# Altium PCB PCB_with_drawing_try2.PcbDoc (part 3 of 5)
Units mm, origin at the board's own origin, x right, y up, seen from the top; angles counter-clockwise.
Board outline 187.5 x 240 mm, 2 copper layers (Top Layer, Bottom Layer), stack 2.8 mm thick; 489 components, 419 nets, 1569 pads, 683 vias.
Unrouted connection lines stored in the file: 11.
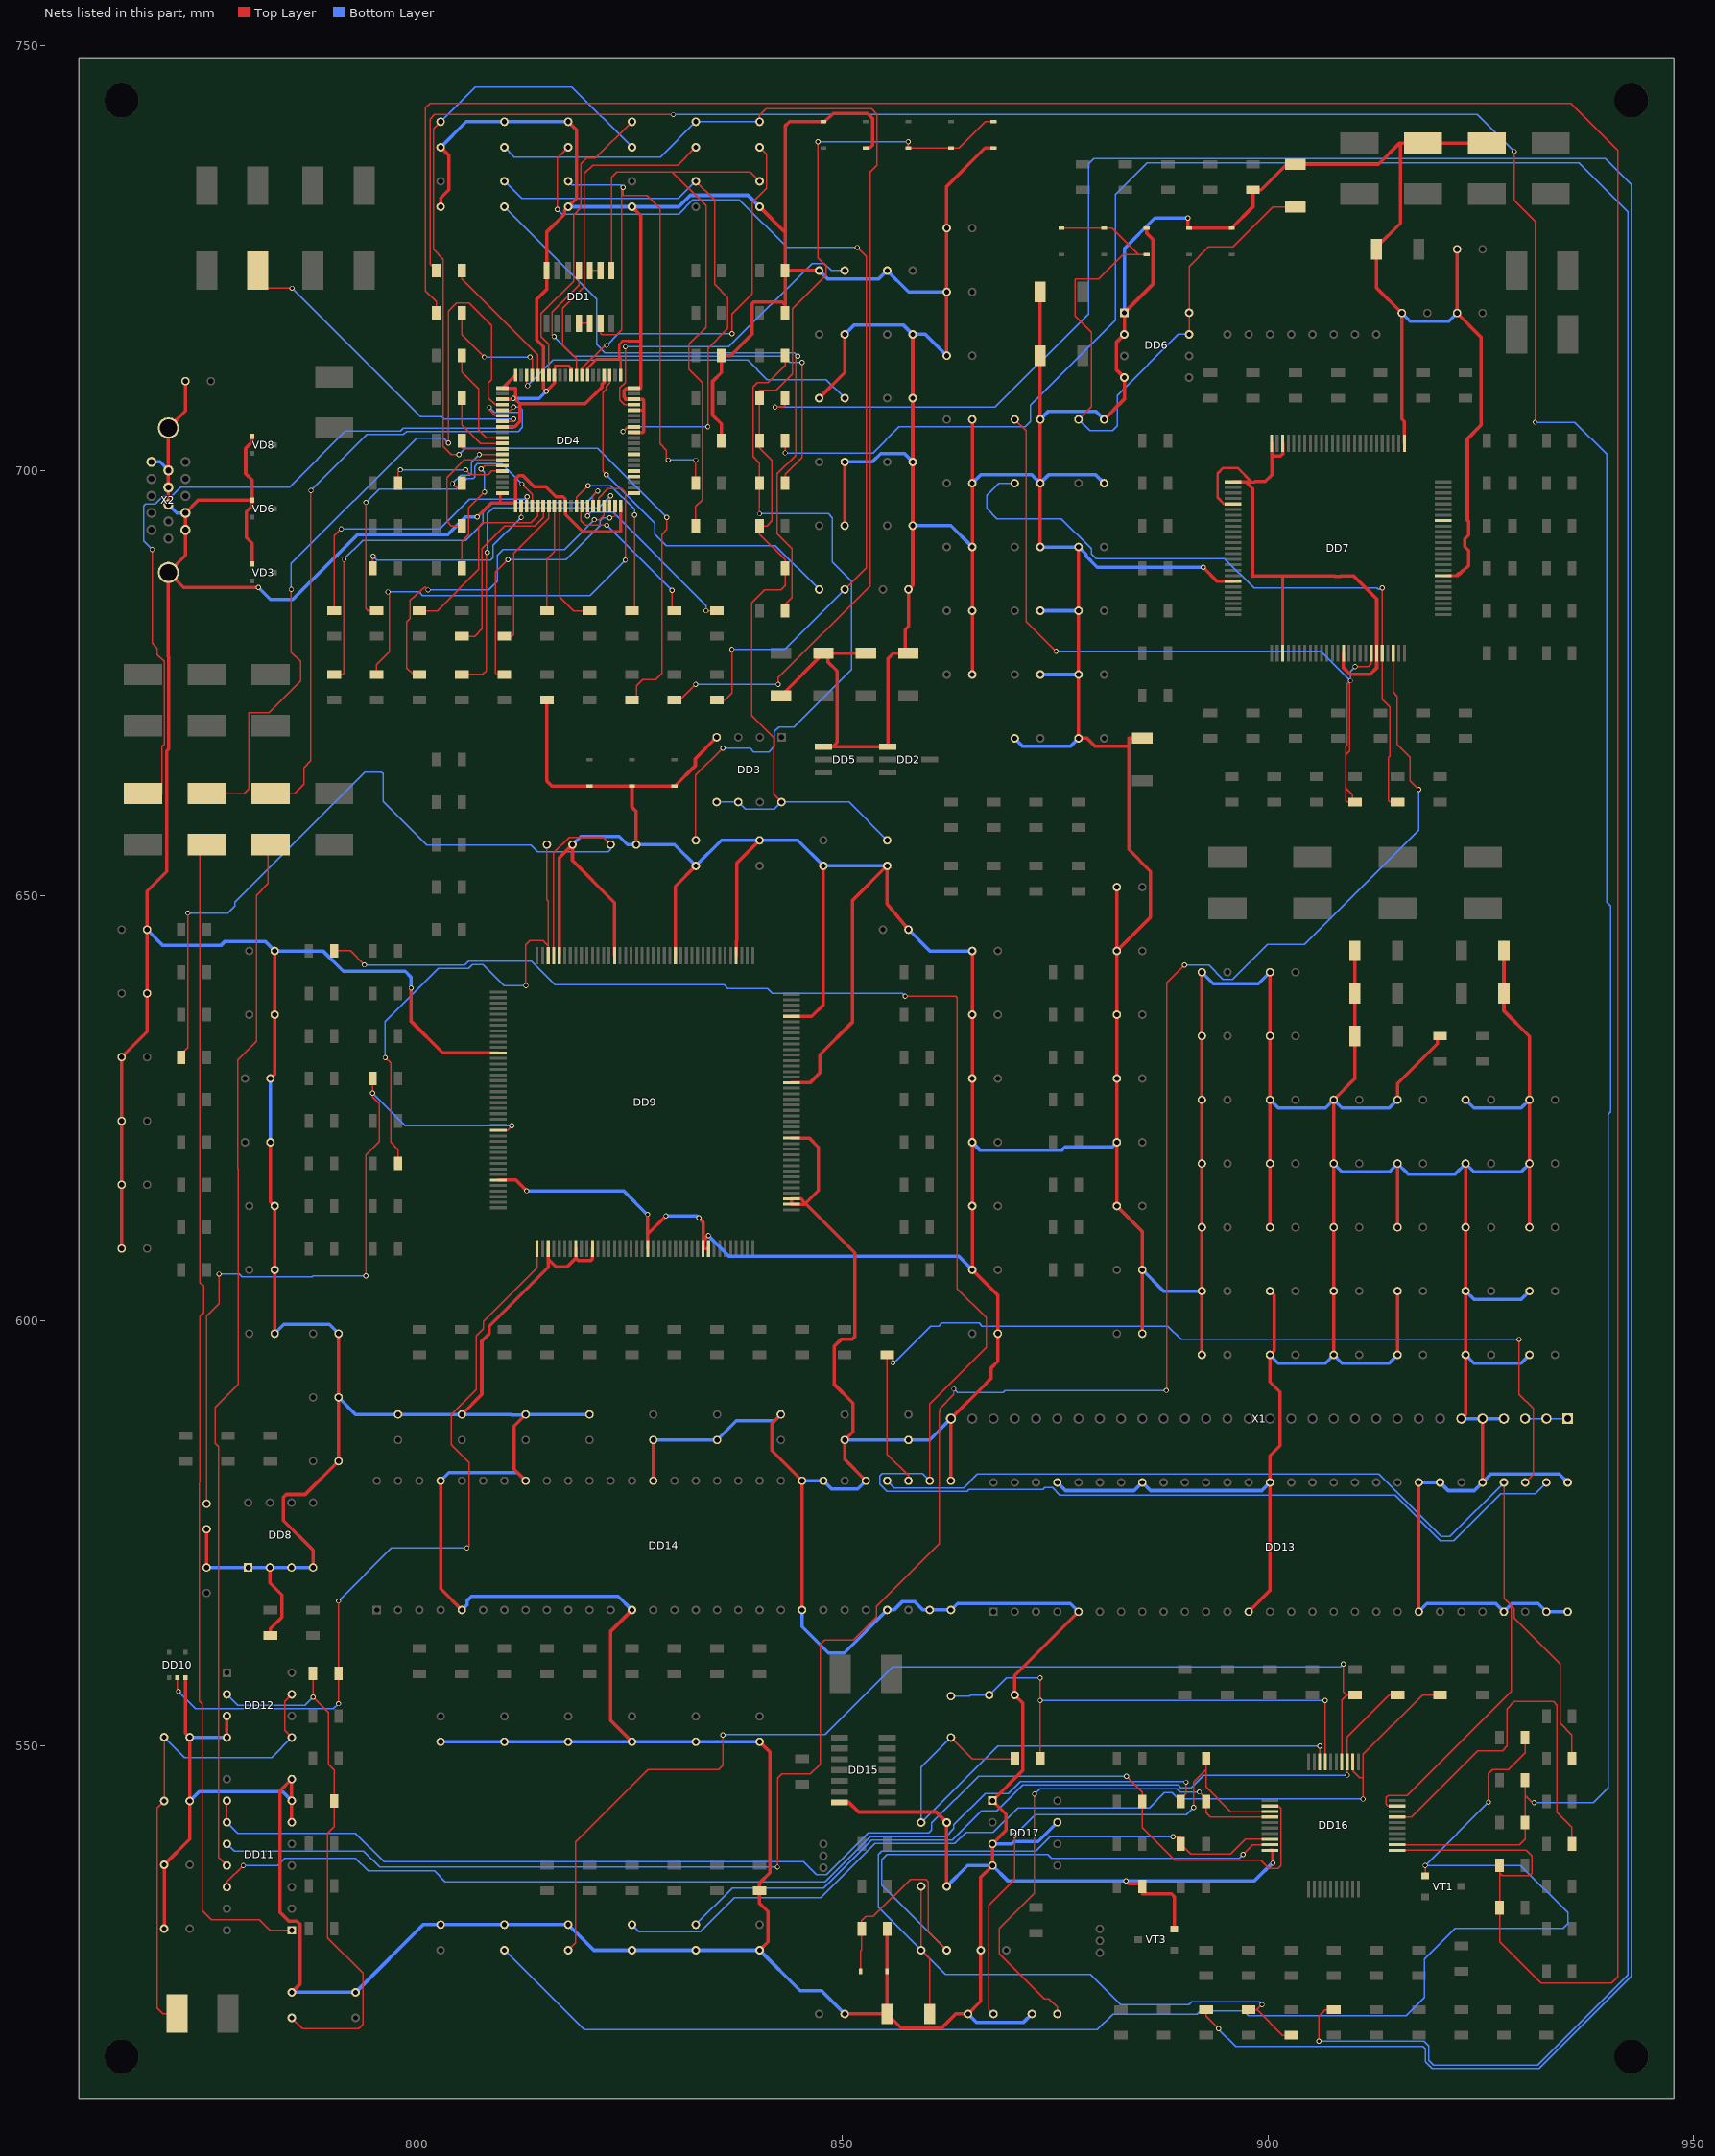
[diagram p3: the nets of this part, all layers, seen from the top]

## Via types
v1: diameter 0.6, hole 0.4, Top Layer to Bottom Layer, 677 vias
v2: diameter 0.5, hole 0.4, Top Layer to Bottom Layer, 3 vias
v3: diameter 0.4, hole 0.4, Top Layer to Bottom Layer, 2 vias
v4: diameter 0.6, hole 0.3, Top Layer to Bottom Layer, 1 vias

## Nets (pads, with @x,y where several pads share a name; then routed paths per layer and width w, separated by ;. In a path a pad name is that pad's centre, name@x,y a point inside that pad or via, vN(x,y) a via of type N, cw(c..) or ccw(c..) an arc to the next point about the centre after c; other vN are vias at no path point) (continued)
GND: C1.2 C2.2 C3.2 C4.2 C5.2 C6.2 C7.2 C8.2 C9.2 C10.2 C11.2 C12.2 C13.2 C14.2 C15.2 C17.2 C18.2 C19.2 C25.1 C26.2 C27.1 C28.2 C29.1 C30.2 C31.2 C32.2 C33.2 C34.2 C35.2 C36.2 C37.2 C38.2 C39.2 C40.2 C41.2 C42.2 C43.2 C44.1 C45.1 C46.1 C47.1 C48.1 C49.1 C50.1 C51.1 C52.2 C53.1 C54.1 C55.1 C56.1 C57.2 C58.1 C59.1 C60.1 C61.1 C62.1 C63.1 C64.2 C65.1 C66.1 C67.1 C68.1 C69.1 C70.1 C71.1 C72.1 C73.1 C74.1 C75.1 C76.1 C77.1 C78.1 C79.1 C80.1 C81.1 C82.1 C83.1 C84.1 C85.1 C86.1 C87.1 C88.1 C89.1 C90.1 C91.1 C92.1 C93.1 C94.1 C95.1 C96.1 C97.1 C98.1 C99.1 C100.1 C101.1 C102.1 C103.1 C104.1 C105.1 C106.1 C107.1 C108.1 C109.1 C110.1 C111.1 C112.1 C113.1 C114.1 C115.1 C116.1 C117.1 C118.1 C119.1 C120.1 C121.1 C122.1 C123.1 C124.1 C125.1 C126.1 C127.1 C128.2 C129.2 C130.1 C131.2 C132.2 C133.2 C134.2 C135.2 C136.2 C137.2 C138.1 C139.1 C140.1 C141.1 C142.1 C143.1 C144.1 C145.1 C146.1 C147.1 C148.1 C149.1 C150.1 C151.1 C152.1 C153.1 C154.1 C155.1 C156.1 C157.1 C158.2 C159.1 C160.2 C161.2 C162.1 C163.2 C164.2 C165.1 C166.2 C168.2 C169.2 C170.2 C171.2 C172.1 DD1.7 DD2.1 DD3.4 DD4.1 DD4.10 DD4.20 DD4.21 DD4.24 DD4.25 DD4.28 DD4.32 DD4.36 DD4.38 DD4.40 DD4.41 DD4.44 DD4.47 DD4.50 DD4.53 DD4.55 DD4.60 DD4.61 DD4.63 DD4.68 DD4.80 DD5.1 DD6.1 DD6.2 DD6.4 DD7.1 DD7.5 DD7.19 DD7.28 DD7.39 DD7.45 DD7.58 DD7.68 DD7.76 DD7.98 DD7.100 DD8.1 DD8.2 DD8.3 DD8.4 DD9.12 DD9.35 DD9.43 DD9.48 DD9.51 DD9.61 DD9.71 DD9.72 DD9.82 DD9.83 DD9.94 DD9.104 DD9.116 DD9.124 DD9.135 DD9.146 DD9.156 DD10.3 DD11.6 DD11.7 DD11.8 DD12.3 DD12.4 DD13.5 DD13.13 DD13.21 DD13.25 DD13.27 DD13.28 DD13.29 DD13.33 DD13.35 DD13.36 DD13.43 DD13.49 DD13.53 DD14.5 DD14.13 DD14.21 DD14.25 DD14.27 DD14.28 DD14.29 DD14.33 DD14.35 DD14.36 DD14.43 DD14.49 DD14.53 DD15.7 DD16.20 DD17.1 DD17.3 DD17.4 DD17.7 L16.1 L17.1 R3.1 R5.1 R15.1 R16.1 R17.1 R49.1 R178.1 R180.1 R204.1 R205.1 R218.1 VD1.1 VD2.1 VD3.1 VD4.1 VD5.1 VD6.1 VD7.1 VD8.1 VD11.1 VD12.1 VD13.1 VD14.1 VD17.1 VT3.2 X1.4 X1.5 X1.6 X1.30 X2.4 X2.5 X2.6 X2.7 X2.8 X2.11 X2.16 X2.17 | length 2764.2
  Top Layer w0.3: 809.75,696.1 809.75,696.174 809.75,697.047 DD4.80@810.028,697.325 ; DD4.53@816.125,711.222 816.125,711.426 816.21,711.51 816.21,712.303 817.785,712.303 818.15,711.938 DD4.50@818.15,711.2 ; DD4.47@820.025,711.222 820.025,712.013 821.112,713.1 823.925,713.1 ; DD4.41@823.925,711.222 823.925,713.1 ; DD4.36@825.472,707.075 826.525,707.075 826.55,707.1 ; 826.15,715.2 824.79,715.2 824.754,715.236 824.17,715.236 823.758,714.824 823.758,713.267 823.925,713.1 ; DD7.5@895.9,696.05 894.88,696.05 894.101,696.829 894.101,699.646 894.758,700.304 896.446,700.304 898.1,698.65 898.15,698.6 898.45,698.6 ; DD7.28@901.75,678.5 901.75,687.6 ; DD7.58@920.55,687.6 921.108,687.6 921.137,687.629 922.367,687.629 922.273,687.723
  Top Layer w0.4: C93.1@765.25,608.5 C97.1@765.25,616 C101.1@765.25,623.5 C104.1@765.25,631 768.25,634 C107.1@768.25,638.5 C110.1@768.25,646 768.25,650.548 770.547,652.845 770.547,667.015 770.804,667.272 770.804,678.054 770.75,678.108 X2.16@770.75,688 ; C130.1@770.25,528.54 C131.2@770.25,536.04 773.25,539.04 C132.2@773.25,543.54 C133.2@773.25,551.04 772.75,551.54 DD10.3@772.75,558.04 ; X2.8@770.75,696 X2.7@770.75,698 X2.6@770.75,700 X2.17@770.75,705 772.75,707 C172.1@772.75,710.5 ; C62.1@775.25,571 C90.1@775.25,575.5 ; DD12.4@777.63,551 DD12.3@777.63,553.54 ; VD3.1@780.6,689 780.6,691.44 779.936,692.104 779.936,695.148 780.6,695.813 VD6.1@780.6,696.5 ; VD8.1@780.6,704 780.6,703.36 779.834,702.594 779.834,699.626 780.6,698.861 VD6.1@780.6,696.5 ; v1(781.333,686.237) 772.513,686.237 X2.16@770.75,688 ; DD8.2@782.67,571 782.67,569.194 784.076,567.788 784.076,565.155 782.75,563.829 R178.1@782.75,563 ; C121.1@782.75,621 782.75,614 C119.1@783.25,613.5 C116.1@783.25,606 C113.1@783.25,598.5 ; C123.1@782.75,628.5 783.25,629 C125.1@783.25,636 C127.1@783.25,643.5 ; C129.2@785.25,521.04 786.21,522 786.21,529.062 785.854,529.417 784.914,529.417 783.892,530.439 783.892,544.762 DD11.8@785.225,546.095 ; DD11.6@785.25,541.04 785.225,541.065 785.225,543.555 DD11.7@785.25,543.58 785.225,543.605 DD11.8@785.225,546.095 ; DD11.8@785.25,546.12 DD11.8@785.225,546.095 ; DD8.4@787.75,571 787.75,573.038 784.254,576.534 784.254,579.259 784.584,579.589 786.839,579.589 C80.1@790.75,583.5 C84.1@790.75,591 C88.1@790.75,598.5 ; v1(799.291,639.145) 799.291,635.208 802.999,631.5 DD9.12@809.55,631.5 ; DD14.53@802.75,581.2 802.75,568.5 DD14.5@805.25,566 ; C10.2@802.75,731 802.75,732.038 803.71,732.998 803.71,737.04 C17.2@802.75,738 ; C106.1@805.25,589 807.592,591.342 807.592,597.632 808.455,598.495 808.455,599.358 815.4,606.303 815.4,607.262 ; v1(807.038,694.517) 808.689,696.168 809.75,696.174 DD4.1@811.559,696.184 ; DD9.35@809.55,616.55 811.599,616.55 v1(812.854,615.295) ; DD4.68@810.028,705.129 811.477,705.129 812.092,705.744 ; DD4.63@810.028,708.375 v1@811.218,708.375 ; v1(811.305,708.462) v1@811.218,708.375 ; DD4.60@811.571,711.222 811.571,711.218 DD4.61@810.028,709.675 811.559,709.675 v1@811.559,708.375 ; DD4.1@811.575,695.778 811.575,696.168 DD4.1@811.559,696.184 ; 812.092,705.744 812.092,707.827 ; DD14.49@812.75,581.2 811.392,582.558 811.392,587.642 C103.1@812.75,589 ; R17.1@815.25,673 815.242,673 815.242,663.484 815.826,662.9 VD2.1@820.25,662.9 VD1.1@825.25,662.9 ; DD9.43@815.4,608.5 815.4,607.262 ; 816.16,710.325 816.16,710.912 816.15,710.922 816.15,710.284 v1(815.166,709.3) 814.825,709.641 DD4.55@814.825,711.222 814.825,714.568 814.056,715.337 814.056,720.114 815.21,721.268 DD1.7@815.21,723.5 815.21,728.01 817.328,730.128 817.328,730.578 C7.2@817.75,731 818.722,731.972 818.722,740.028 C19.2@817.75,741 ; DD9.156@816.7,642.95 816.7,654.45 C63.1@818.25,656 818.25,654.122 823.2,649.172 DD9.146@823.2,642.95 ; DD9.48@818.65,608.5 818.65,607.374 ; DD9.51@820.6,608.5 820.6,607.292 820.398,607.09 818.934,607.09 818.65,607.374 ; DD4.44@821.979,710.9 821.979,710.363 821.698,710.082 821.698,709.764 819.761,707.827 812.092,707.827 ; DD4.20@823.925,695.778 823.925,692.801 823.922,692.798 819.449,692.798 817.425,694.822 DD4.10@817.425,695.778 817.391,695.813 817.391,696.675 817.156,696.909 816.294,696.909 815.105,698.099 813.743,698.099 812.448,699.394 811.94,699.394 811.559,699.013 DD4.1@811.559,696.184 ; C118.1@825.25,550.5 822.76,552.99 822.76,563.51 DD14.13@825.25,566 ; C13.2@825.25,731 826.291,729.959 826.291,709.675 DD4.40@825.472,709.675 824.589,709.675 824.623,709.64 824.575,709.64 824.341,709.406 824.341,708.644 824.557,708.428 824.504,708.375 DD4.38@825.472,708.375 826.494,708.375 826.621,708.248 826.621,704.602 826.494,704.475 DD4.32@825.472,704.475 ; C61.1@825.75,656 825.75,659.906 825.25,660.406 VD1.1@825.25,662.9 ; DD9.61@827.1,608.5 827.1,610.193 ; v1(827.1,612.526) 827.1,610.193 ; DD14.43@827.75,581.2 C96.1@827.75,586 ; v1(829.245,612.338) 827.1,610.193 ; DD9.135@830.35,642.95 830.35,651.1 C11.2@832.75,653.5 ; v1(833.115,612.11) 833.6,611.625 DD9.71@833.6,608.5 ; v1(834.22,610.032) 833.721,609.533 DD9.71@833.6,608.5 ; DD9.72@834.25,608.5 DD9.71@833.6,608.5 ; DD3.4@835.21,668.62 832.692,666.102 832.692,665.277 830.314,662.9 VD4.1@830.25,662.9 VD1.1@825.25,662.9 ; R5.1@835.75,703.5 835.75,705.465 834.724,706.491 834.724,710.468 835.75,711.495 R3.1@835.75,713.491 ; R3.1@835.75,713.5 R3.1@835.75,713.491 ; DD9.124@837.5,642.95 837.5,644.659 837.582,644.74 837.582,653.832 C37.2@840.25,656.5 ; C169.2@840.25,526 841.226,526.976 841.226,530.535 840.25,531.511 R204.1@840.25,533 840.25,533.902 841.455,535.107 841.455,549.295 C112.1@840.25,550.5 ; C8.2@840.25,731 843.25,728 ; C87.1@842.75,589 841.683,587.933 841.683,584.767 DD14.36@845.25,581.2 DD14.21@845.25,566 ; C40.2@842.75,673.5 C35.2@847.75,678.5 C35.2@848.313,678.5 ; R15.1@843.25,718.5 843.25,719.46 ; DD9.94@844,621.5 846.079,621.5 847.162,620.417 847.162,615.32 845.652,613.81 ; DD9.104@844,628 846.175,628 847.348,629.174 847.348,631.299 851.147,635.097 851.147,649.397 C15.2@855.25,653.5 855.25,649.026 C70.1@857.75,646 ; DD9.116@844,635.8 846.374,635.8 847.75,637.176 C39.2@847.75,653.5 ; C27.1@847.25,708.5 850.25,711.5 C28.2@850.25,716 ; C29.1@847.25,723.5 R16.1@843.25,723.5 ; DD5.1@847.75,667.5 848.846,667.5 ; DD15.7@849.65,543.38 850.751,543.38 851.887,542.244 861.006,542.244 C161.2@862.25,541 C165.1@862.25,533.5 ; C158.2@850.25,518.5 C163.2@855.25,518.5 ; C25.1@850.25,693.5 C26.2@850.25,701 ; DD14.33@852.75,581.2 850.25,583.7 C83.1@850.25,586 851.208,586.958 851.208,590.352 849.049,592.511 849.049,597.032 849.837,597.819 851.132,597.819 851.462,598.15 851.462,608 845.652,613.81 ; C14.2@852.75,678.5 C35.2@848.313,678.5 ; VD7.1@852.75,737.9 853.164,737.9 853.52,738.256 853.52,741.38 852.91,741.99 848.896,741.99 847.906,741 VD5.1@847.75,741 843.766,741 843.25,740.484 843.25,728 ; R205.1@855.25,528.5 VD17.1@855.25,523.5 C163.2@855.25,518.5 ; C6.2@857.75,678.5 C6.2@857.371,678.5 ; C30.2@858.25,716 C31.2@858.25,708.5 C32.2@858.25,701 C33.2@858.25,693.5 858.25,686.5 C34.2@857.75,686 857.75,681.669 857.371,681.29 C6.2@857.371,678.5 ; C9.2@862.25,713.5 C12.2@862.25,721 C36.2@862.25,728.5 862.25,733.405 866.745,737.9 VD11.1@867.75,737.9 ; DD14.29@862.75,581.2 862.75,584.84 X1.30@862.75,588.5 866.863,592.613 866.863,592.654 867.447,593.238 867.447,594.433 868.25,595.236 C91.1@868.25,598.5 868.25,603 C86.1@865.25,606 C82.1@865.25,613.5 C78.1@865.25,621 C76.1@865.25,628.5 C74.1@865.25,636 C72.1@865.25,643.5 ; C1.2@865.25,676 C2.2@865.25,683.5 C3.2@865.25,691 865.25,694.746 C4.2@865.25,698.5 C5.2@865.25,706 ; C54.1@873.25,691 C55.1@873.25,698.5 C56.1@873.25,706 873.25,709.732 C41.2@873.25,713.5 873.25,717.225 C57.2@873.25,721 ; DD13.5@877.75,565.8 870.25,558.3 C160.2@870.25,556 871.173,555.077 871.173,547.123 DD17.1@867.63,543.58 869.238,541.972 869.238,540.108 DD17.3@867.63,538.5 DD17.4@867.63,535.96 866.25,534.58 C171.2@866.25,526 866.25,520 C159.1@864.75,518.5 863.303,518.5 861.698,516.895 856.855,516.895 C163.2@855.25,518.5 ; C58.1@877.75,691 C59.1@877.75,683.5 C60.1@877.75,676 C46.1@877.75,668.5 878.767,668.5 879.725,667.542 883.644,667.542 ; C49.1@880.75,706 883.13,708.38 DD6.4@883.13,710.92 882.171,711.879 882.171,715.041 DD6.2@883.13,716 DD6.1@883.13,718.54 886.514,721.924 886.514,727.156 885.727,727.944 885.727,728.5 VD14.1@885.75,728.5 ; C95.1@882.25,651 C99.1@882.25,643.5 ; v1(883.314,534.167) 883.669,533.811 885.25,533.811 R218.1@885.25,533.5 885.25,532.618 888.67,532.618 889,532.287 VT3.2@889,528.5 ; C117.1@885.25,598.5 C114.1@885.25,606 885.25,610.5 C111.1@882.25,613.5 C108.1@882.25,621 C105.1@882.25,628.5 C102.1@882.25,636 C99.1@882.25,643.5 ; C43.2@885.25,668.5 883.644,668.5 883.644,667.542 ; v1(890.604,729.671) 890.604,728.5 VD13.1@890.75,728.5 VD12.1@895.75,728.5 898.25,731 R49.1@898.25,733 899.24,733 902.24,736 C52.2@903.25,736 913.011,736 915.511,738.5 915.597,738.5 ; C73.1@892.25,596 C71.1@892.25,603.5 C68.1@892.25,611 C69.1@892.25,618.5 C65.1@892.25,626 C67.1@892.25,633.5 C66.1@892.25,641 ; v1(892.399,688.61) 894.059,686.95 DD7.19@895.9,686.95 ; DD7.1@895.9,698.65 897.444,698.65 ; DD13.13@897.75,565.8 900.25,568.3 DD13.43@900.25,581 900.25,584.149 901.424,585.323 901.424,591.642 900.25,592.816 C152.1@900.25,596 900.755,596.505 900.755,602.995 C151.1@900.25,603.5 ; 898.1,698.65 897.444,698.65 ; 898.45,698.65 898.5,698.7 899.696,698.7 900.45,699.454 900.45,701.934 ; DD16.20@900.25,537.75 900.611,537.75 v1(900.611,536.25) ; C150.1@900.25,611 C147.1@900.25,618.5 C144.1@900.25,626 C141.1@900.25,633.5 C138.1@900.25,641 ; DD7.100@900.45,703.2 900.45,701.934 ; DD7.98@901.75,703.2 901.75,701.934 901.496,701.68 900.704,701.68 900.45,701.934 ; C149.1@907.75,596 C148.1@907.75,603.5 C145.1@907.75,611 C142.1@907.75,618.5 C139.1@907.75,626 910.25,628.5 C135.2@910.25,633.5 C136.2@910.25,638.5 C134.2@910.25,643.5 ; DD7.39@908.9,678.5 908.9,676.788 909.662,676.026 912.038,676.026 912.8,676.788 DD7.45@912.8,678.5 912.8,684.894 910.094,687.6 908.616,687.6 908.566,687.55 908.562,687.554 907.938,687.554 907.934,687.55 907.884,687.6 901.75,687.6 898.216,687.6 ; C81.1@915.25,596 C77.1@915.25,603.5 ; C75.1@915.25,611 C89.1@915.25,618.5 ; C85.1@915.25,626 915.25,627.901 919.941,632.592 919.941,633.5 R180.1@920.25,633.5 ; DD7.76@916.05,703.2 916.05,705.756 915.75,706.056 C45.1@915.75,718.5 912.75,721.5 C42.2@912.75,726 912.75,726.216 915.597,729.064 915.597,738.5 ; DD13.21@917.75,565.8 DD13.36@917.75,581 ; C50.1@922.25,726 C47.1@922.25,718.5 925.046,715.704 925.046,705.287 923.463,703.704 923.463,694.153 923.604,694.012 923.604,692.37 923.158,691.925 923.158,691.033 923.596,690.596 923.596,688.8 923.047,688.252 922.961,688.252 922.554,687.845 922.395,687.845 922.273,687.723 ; X1.6@922.75,588.5 923.25,589 C155.1@923.25,596 C154.1@923.25,603.5 C153.1@923.25,611 C157.1@923.25,618.5 ; DD13.33@925.25,581 X1.5@925.25,588.5 ; L16.1@925.75,738.5 L17.1@918.25,738.5 915.597,738.5 ; C137.2@927.75,643.5 C64.2@927.75,638.5 927.75,636.447 930.75,633.447 C94.1@930.75,626 C98.1@930.75,618.5 C146.1@930.75,611 ; X2.16@770.75,688 772.75,690 X2.5@772.75,693 X2.4@772.75,695 774.25,696.5 VD6.1@780.6,696.5 ; v1@811.218,708.375 v1@811.559,708.375 ; v1@811.559,708.375 811.559,708.36 812.092,707.827 ; 815.4,607.262 816.301,606.362 817.637,606.362 818.65,607.374 ; R3.1@835.75,713.491 836.832,713.491 839.35,716.009 839.35,719.591 839.575,719.816 842.894,719.816 843.25,719.46 ; 843.25,719.46 R16.1@843.25,723.5 ; R16.1@843.25,723.5 843.25,728 ; 845.652,613.81 845.542,613.7 DD9.82@844,613.7 DD9.83@844,614.35 845.112,614.35 845.652,613.81 ; C35.2@848.313,678.5 848.313,677.448 849.354,676.407 849.354,668.008 848.846,667.5 ; 848.846,667.5 851.513,667.5 DD2.1@855.325,667.5 855.325,677.867 855.958,678.5 C6.2@857.371,678.5 ; C99.1@882.25,643.5 886.209,647.459 886.209,652.861 883.644,655.427 883.644,667.542 ; 897.444,698.65 898.216,697.878 898.216,687.6 ; 898.216,687.6 898.216,687.552 898.167,687.6 898.216,687.6
  Bottom Layer w0.4: C110.1@768.25,646 770.118,644.132 776.905,644.132 777.354,644.581 782.169,644.581 C127.1@783.25,643.5 788.912,643.5 791.311,641.101 798.579,641.101 799.291,640.39 v1(799.291,639.145) ; X2.11@768.75,701 769.75,701 X2.6@770.75,700 ; X2.8@770.75,696 771.75,695 X2.4@772.75,695 ; C132.2@773.25,543.54 774.367,544.657 784.173,544.657 DD11.7@785.25,543.58 ; C133.2@773.25,551.04 775.415,551.04 775.455,551 DD12.4@777.63,551 ; C62.1@775.25,571 DD8.1@780.13,571 DD8.2@782.67,571 DD8.3@785.21,571 DD8.4@787.75,571 ; v1(781.333,686.237) 782.747,684.822 785.371,684.822 792.983,692.434 803.583,692.434 805.666,694.517 v1(807.038,694.517) ; C121.1@782.75,621 C123.1@782.75,628.5 ; C113.1@783.25,598.5 784.322,599.572 789.678,599.572 C88.1@790.75,598.5 ; C129.2@785.25,521.04 C128.2@792.75,521.04 800.71,529 C126.1@802.75,529 C170.2@810.25,529 C164.2@817.75,529 820.75,526 C168.2@825.25,526 C166.2@832.75,526 C169.2@840.25,526 845.037,521.213 847.537,521.213 C158.2@850.25,518.5 ; C84.1@790.75,591 792.75,589 C109.1@797.75,589 C106.1@805.25,589 811.047,589 811.141,588.906 812.656,588.906 C103.1@812.75,589 816.486,589 C100.1@820.25,589 ; C124.1@802.75,550.5 C122.1@810.25,550.5 C120.1@817.75,550.5 C118.1@825.25,550.5 C115.1@832.75,550.5 C112.1@840.25,550.5 ; DD14.53@802.75,581.2 803.723,582.173 811.777,582.173 DD14.49@812.75,581.2 ; C17.2@802.75,738 805.75,741 C18.2@810.25,741 C19.2@817.75,741 ; DD14.5@805.25,566 805.846,566.596 805.846,567.06 806.394,567.608 823.642,567.608 DD14.13@825.25,566 ; v1(811.305,708.462) 814.327,708.462 v1(815.166,709.3) ; v1(812.854,615.295) 824.254,615.295 827.023,612.526 v1(827.1,612.526) ; C7.2@817.75,731 C13.2@825.25,731 830.74,731 832.098,732.358 838.892,732.358 C8.2@840.25,731 ; C63.1@818.25,656 819.226,656.976 823.74,656.976 824.716,656 C61.1@825.75,656 830.25,656 C11.2@832.75,653.5 835.75,656.5 C37.2@840.25,656.5 844.75,656.5 C39.2@847.75,653.5 C15.2@855.25,653.5 ; C96.1@827.75,586 C92.1@835.25,586 837.511,588.261 842.011,588.261 C87.1@842.75,589 ; v1(829.245,612.338) 832.888,612.338 v1(833.115,612.11) ; v1(834.22,610.032) 836.629,607.624 863.626,607.624 C86.1@865.25,606 ; DD14.21@845.25,566 845.25,564.048 848.334,560.964 850.214,560.964 DD14.25@855.25,566 856.041,566 856.999,566.958 858.505,566.958 859.463,566 DD14.27@860.25,566 DD14.28@862.75,566 863.505,566.755 876.795,566.755 DD13.5@877.75,565.8 ; DD14.36@845.25,581.2 DD14.35@847.75,581.2 848.707,580.243 851.793,580.243 DD14.33@852.75,581.2 ; C29.1@847.25,723.5 848.217,722.533 854.283,722.533 C38.2@855.25,723.5 857.75,721 C12.2@862.25,721 ; C83.1@850.25,586 C79.1@857.75,586 860.25,586 X1.30@862.75,588.5 ; C26.2@850.25,701 853.519,701 854.478,701.959 857.291,701.959 C32.2@858.25,701 ; C28.2@850.25,716 851.322,717.072 857.178,717.072 C30.2@858.25,716 859.75,716 C9.2@862.25,713.5 ; C70.1@857.75,646 860.25,643.5 C72.1@865.25,643.5 ; C33.2@858.25,693.5 862.75,693.5 C3.2@865.25,691 ; C165.1@862.25,533.5 864.71,535.96 DD17.4@867.63,535.96 869.415,534.175 ; C159.1@864.75,518.5 865.72,517.53 871.28,517.53 C162.1@872.25,518.5 ; C78.1@865.25,621 866.206,620.044 875.739,620.044 876.165,620.471 881.721,620.471 C108.1@882.25,621 ; C4.2@865.25,698.5 866.22,699.47 872.28,699.47 C55.1@873.25,698.5 874.22,699.47 879.78,699.47 C44.1@880.75,698.5 ; DD17.3@867.63,538.5 869.918,538.5 870.19,538.772 872.982,538.772 DD17.7@875.25,541.04 ; C48.1@870.25,668.5 871.208,667.542 876.792,667.542 C46.1@877.75,668.5 ; C51.1@873.25,676 C60.1@877.75,676 ; C53.1@873.25,683.5 C59.1@877.75,683.5 ; C54.1@873.25,691 C58.1@877.75,691 878.627,690.123 878.627,689.937 879.954,688.61 v1(892.399,688.61) ; C56.1@873.25,706 874.213,706.963 879.787,706.963 C49.1@880.75,706 ; DD13.53@875.25,581 876.211,580.039 884.289,580.039 DD13.49@885.25,581 886.211,580.039 899.289,580.039 DD13.43@900.25,581 ; DD6.1@883.13,718.54 883.13,726.08 886.72,729.671 v1(890.604,729.671) ; v1(883.314,534.167) 869.423,534.167 869.415,534.175 ; C114.1@885.25,606 887.75,603.5 C71.1@892.25,603.5 ; C66.1@892.25,641 893.608,639.642 898.892,639.642 C138.1@900.25,641 ; C152.1@900.25,596 901.225,595.025 906.775,595.025 C149.1@907.75,596 908.725,595.025 914.275,595.025 C81.1@915.25,596 ; C144.1@900.25,626 901.227,625.023 906.773,625.023 C139.1@907.75,626 908.727,625.023 914.273,625.023 C85.1@915.25,626 ; v1(900.611,536.25) 900.611,536.326 898.46,534.175 869.415,534.175 ; C142.1@907.75,618.5 908.72,617.53 914.28,617.53 C89.1@915.25,618.5 916.483,617.267 922.017,617.267 C157.1@923.25,618.5 924.22,617.53 929.78,617.53 C98.1@930.75,618.5 ; C45.1@915.75,718.5 916.72,717.53 921.28,717.53 C47.1@922.25,718.5 ; DD13.21@917.75,565.8 918.705,566.755 926.795,566.755 DD13.25@927.75,565.8 928.705,566.755 931.795,566.755 DD13.27@932.75,565.8 DD13.28@935.25,565.8 ; DD13.36@917.75,581 DD13.35@920.25,581 921.211,580.039 924.289,580.039 DD13.33@925.25,581 926.22,581.97 934.28,581.97 DD13.29@935.25,581 ; X1.6@922.75,588.5 X1.5@925.25,588.5 X1.4@927.75,588.5 ; C155.1@923.25,596 924.225,595.025 929.775,595.025 C140.1@930.75,596 ; C154.1@923.25,603.5 924.206,602.544 929.794,602.544 C143.1@930.75,603.5 ; C156.1@923.25,626 924.227,625.023 929.773,625.023 C94.1@930.75,626
HP_SENSE: DD16.37 R217.2 | length 44.2
  Top Layer w0.15: DD16.37@915.2,541.65 916.071,541.65 916.071,541.654 916.887,541.654 924.69,549.458 927.586,549.458 928.119,549.991 928.119,554.36 928.983,555.224 933.576,555.224 933.984,554.815 933.984,542.206 935.75,540.441 R217.2@935.75,538.5
HSYNC_D: DD7.48 DD11.12 | length 268.3
  Top Layer w0.15: v1(842.344,535.767) 842.344,546.232 842.852,546.74 846.23,546.74 847.373,547.883 847.373,561.98 847.881,562.488 851.31,562.488 853.977,565.155 853.977,566.4 861.368,573.791 861.368,589.26 861.419,589.31 861.419,589.666 863.095,591.342 v1(863.095,592.003) ; v1(888.064,591.825) 888.114,591.876 888.114,639.729 v1(890.223,641.838) ; DD7.48@914.75,678.5 914.75,673.927 915.216,673.461 915.216,667.769 916.738,666.247 916.738,663.506 v1(917.756,662.488)
  Bottom Layer w0.15: DD11.12@777.63,538.5 778.483,537.647 793.703,537.647 795.582,535.767 v1(842.344,535.767) ; v1(863.095,592.003) 863.507,591.591 868.887,591.591 869.12,591.825 v1(888.064,591.825) ; v1(890.223,641.838) 893.067,641.838 894.734,640.171 895.836,640.171 899.941,644.276 904.32,644.276 917.756,657.713 v1(917.756,662.488)